# Altium PCB Room04.PcbDoc (part 1 of 2) (continued)
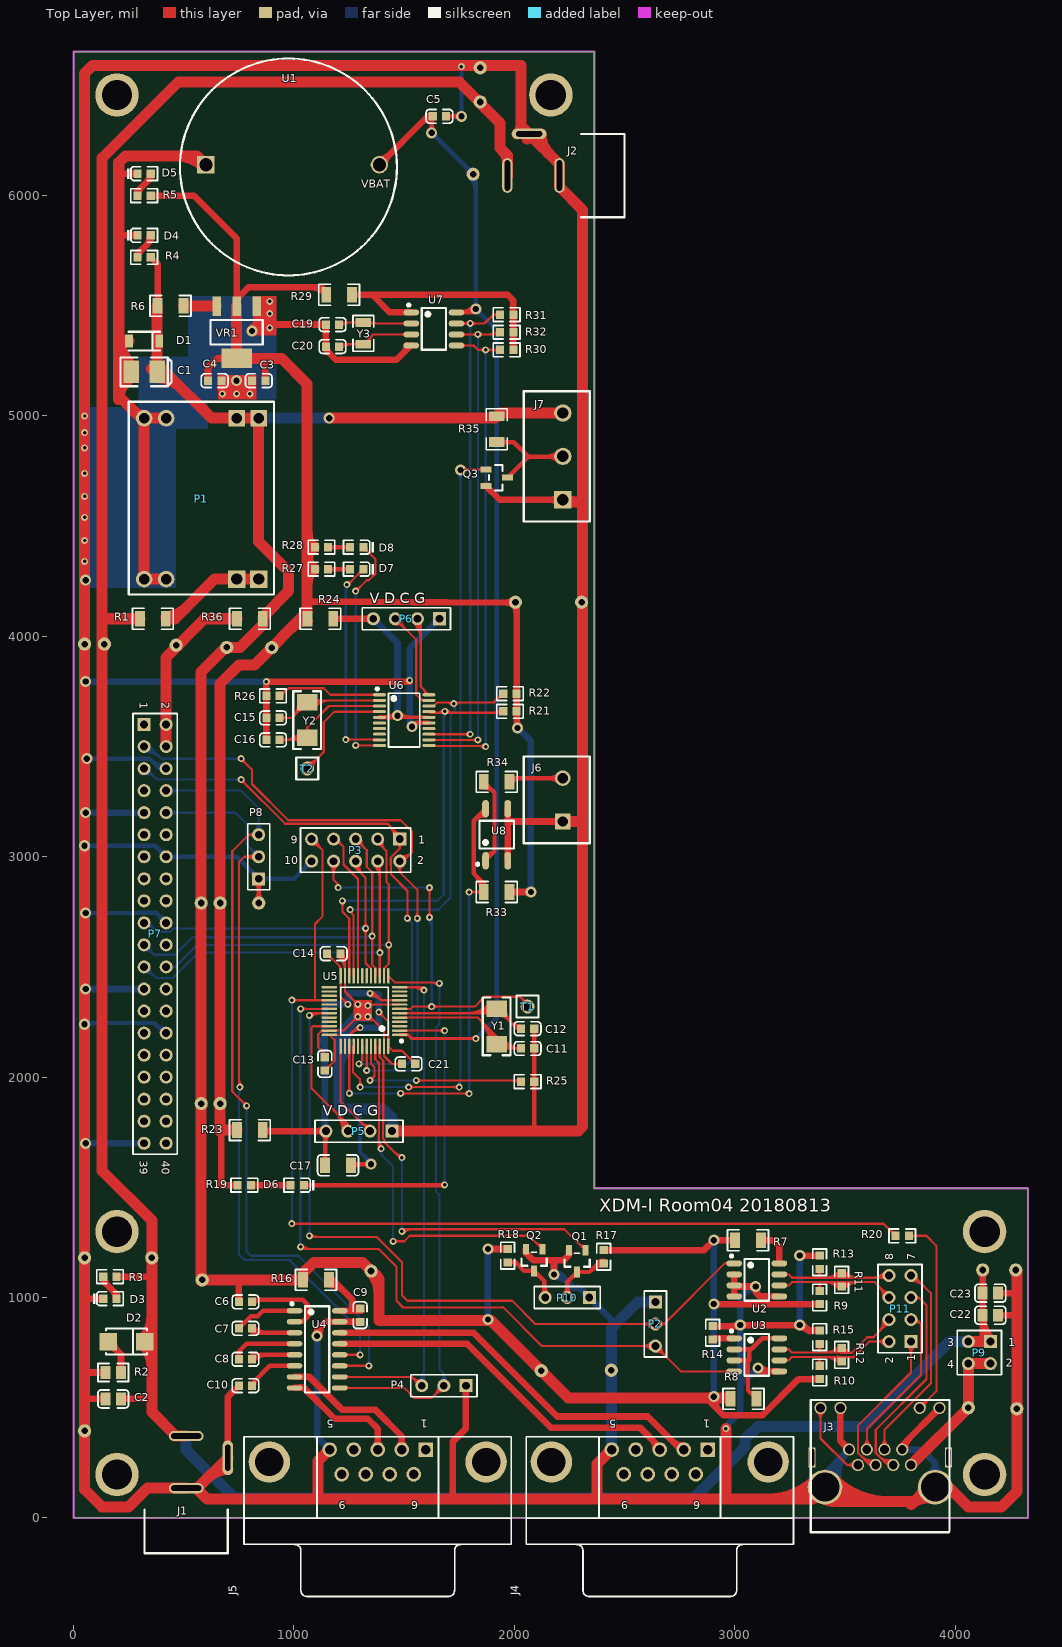
[diagram p0: Top Layer view]
## Nets (pads, with @x,y where several pads share a name; then routed paths per layer and width w, separated by ;. In a path a pad name is that pad's centre, name@x,y a point inside that pad or via, vN(x,y) a via of type N, cw(c..) or ccw(c..) an arc to the next point about the centre after c; other vN are vias at no path point)
ADC2_IN0: U5.10
ADC2_IN1: U5.11
BEEP: P3.7 U5.20 | length 736.7
  Top Layer w10: P3.7@1180,3080 1190,3080 1225,3045 1225,2965 1290.47,2899.53 U5.20@1290.47,2459.45 ; P3.7@1181.97,3065.61 cw(c1187.42,3025.91) 1215.76,3054.24 ; P3.7@1204.53,3080 ccw(c1239.6,3080) 1214.8,3055.2
BOOT0: R25.1 U5.44 | length 1068.4
  Top Layer w10: v1(1345,1985) 1365,2005 1365,2045 1349.53,2060.47 U5.44@1349.53,2140.55 ; v1@1345,1995.75 ccw(c1345,2021.7) 1363.35,2003.35 ccw(c1381.7,1985) v1@1355.75,1985 ; v1(1555,1985) R25.1@2029.69,1985 ; v1@1562.6,1977.4 cw(c1580.95,1959.05) 1580.95,1985 cw(c1580.95,2010.95) v1@1562.6,1992.6 ; 1987.86,1985 cw(c1987.86,1939.16) R25.1@2020.28,1971.57 ; 2007.25,1985 ccw(c2007.25,2003.42) R25.1@2020.28,1990.39
  Bottom Layer w10: v1(1345,1985) v1(1555,1985) ; v1@1352.6,1977.4 cw(c1370.95,1959.05) 1370.95,1985 cw(c1370.95,2010.95) v1@1352.6,1992.6 ; v1@1547.4,1977.4 ccw(c1529.05,1959.05) 1529.05,1985 ccw(c1529.05,2010.95) v1@1547.4,1992.6
C1+: C7.2 U4.1 | length 317.6
  Top Layer w20: C7.2@749.68,860 804.68,915 835,915 860,940 U4.1@1002.64,940 ; C7.2@749.68,869.29 ccw(c749.68,891.72) C7.2@765.55,875.86 ; C7.2@757.99,860.98 cw(c775.67,860.98) C7.2@763.17,873.49
C1-: C7.1 U4.3 | length 327.7
  Top Layer w20: C7.1@802.05,850.75 ccw(c827.99,876.69) 827.99,840 ; C7.1@810.32,850.71 cw(c810.32,828.28) C7.1@826.18,844.14 ; C7.1@810.32,860 830.32,840 U4.3@1002.64,840 ; C7.1@816.19,864.89 ccw(c876.28,924.98) 876.28,840 ; C7.1@818.62,859.02 ccw(c836.3,859.02) C7.1@823.8,846.51
C2+: C8.1 U4.4 | length 333.8
  Top Layer w20: C8.1@743.81,726.86 ccw(c729.63,741.04) 749.68,741.04 ccw(c769.74,741.04) C8.1@755.56,726.86 ; C8.1@749.68,720 749.68,754.68 785,790 U4.4@1002.64,790
C2-: C8.2 U4.5 | length 334.7
  Top Layer w20: C8.2@802.05,729.25 cw(c827.99,703.31) 827.99,740 ; C8.2@805.32,715 830.32,740 U4.5@1002.64,740 ; C8.2@810.32,729.29 ccw(c810.32,751.72) C8.2@826.18,735.86 ; C8.2@816.19,715.11 cw(c876.28,655.02) 876.28,740 ; C8.2@818.62,720.98 cw(c836.3,720.98) C8.2@823.8,733.49
CON1_N: P11.8 R11.1 R13.2 U2.7 | length 1209.7
  Top Layer w10: U2.7@3202.36,1105 3245,1105 ; U2.7@3230.27,1098.84 cw(c3245,1084.32) 3245,1105 ; U2.7@3230.27,1111.16 ccw(c3245,1125.68) 3245,1105 ; R13.2@3375.59,1120.28 cw(c3352.87,1097.56) 3385,1097.56 cw(c3417.13,1097.56) R13.2@3394.41,1120.28 ; R13.2@3385,1129.68 3385,1090 ; 3402.85,1090 ccw(c3402.85,1191.49) R11.1@3474.61,1119.72 ; 3426.99,1090 ccw(c3426.99,1167.34) R11.1@3481.68,1112.65 ; 3451.13,1090 ccw(c3451.13,1143.2) R11.1@3488.75,1105.58 ; R11.1@3474.18,1098.51 ccw(c3494.73,1119.06) 3494.73,1090 ; 3475.27,1090 ccw(c3475.27,1119.06) R11.1@3495.82,1098.51 ; R11.1@3481.25,1105.58 ccw(c3518.87,1143.2) 3518.87,1090 ; R11.1@3488.32,1112.65 ccw(c3543.01,1167.34) 3543.01,1090 ; R11.1@3495.39,1119.72 ccw(c3567.15,1191.49) 3567.15,1090 ; 3616.64,1090 ccw(c3616.64,1183.36) P11.8@3682.66,1117.34 ; 3640.79,1090 ccw(c3640.79,1159.21) P11.8@3689.73,1110.27 ; P11.8@3682.66,1082.66 ccw(c3664.93,1064.93) 3664.93,1090 ccw(c3664.93,1135.07) P11.8@3696.8,1103.2 ; P11.8@3690,1090 3385,1090 ; 3245,1105 3260,1090 3385,1090
CON1_N_O: J3.4 P11.7 | length 1202.9
  Top Layer w10: J3.4@3663.58,326.03 ccw(c3625.07,364.54) 3679.53,364.54 ccw(c3733.99,364.54) J3.4@3695.48,326.03 ; J3.4@3670.65,318.96 ccw(c3649.21,340.4) 3679.53,340.4 ccw(c3709.85,340.4) J3.4@3688.41,318.96 ; J3.4@3679.53,310.08 3679.53,399.53 3890,610 3890,1020 3810,1100 P11.7@3800,1100 ; P11.7@3800,1075.47 cw(c3800,992.12) 3858.94,1051.06 ; P11.7@3800,1085.47 cw(c3800,1026.26) 3841.87,1068.13 ; P11.7@3824.53,1100 ccw(c3859.6,1100) 3834.8,1075.2
  Bottom Layer w10: P11.7@3800,1100 P11.7@3810,1100
CON1_P: P11.6 R9.1 R11.2 U2.6 | length 1193.9
  Top Layer w10: U2.6@3202.36,1055 3245,1055 ; U2.6@3230.27,1048.84 cw(c3245,1034.32) 3245,1055 ; U2.6@3230.27,1061.16 ccw(c3245,1075.68) 3245,1055 ; R9.1@3375.59,1039.72 ccw(c3352.87,1062.44) 3385,1062.44 ccw(c3417.13,1062.44) R9.1@3394.41,1039.72 ; R9.1@3385,1030.31 3385,1070 ; 3402.84,1070 cw(c3402.84,968.51) R11.2@3474.61,1040.28 ; 3426.99,1070 cw(c3426.99,992.66) R11.2@3481.68,1047.35 ; 3451.13,1070 cw(c3451.13,1016.8) R11.2@3488.75,1054.42 ; R11.2@3474.18,1061.49 cw(c3494.73,1040.94) 3494.73,1070 ; 3475.27,1070 cw(c3475.27,1040.94) R11.2@3495.82,1061.49 ; R11.2@3481.25,1054.42 cw(c3518.87,1016.8) 3518.87,1070 ; R11.2@3488.32,1047.35 cw(c3543.01,992.66) 3543.01,1070 ; R11.2@3495.39,1040.28 cw(c3567.16,968.51) 3567.16,1070 ; 3654.59,1050.41 cw(c3604.19,1000) P11.6@3675.47,1000 ; 3666.66,1038.34 ccw(c3700,1071.67) P11.6@3700,1024.53 ; 3671.66,1033.34 cw(c3638.33,1000) P11.6@3685.47,1000 ; P11.6@3700,1005 3635,1070 3385,1070 ; 3245,1055 3260,1070 3385,1070
CON1_P_O: J3.3 P11.5 | length 1176.5
  Top Layer w10: 3652.34,282.66 ccw(c3703.99,334.3) J3.3@3715.98,262.25 ; 3666.09,268.91 ccw(c3707.91,310.74) J3.3@3717.62,252.39 ; 3679.83,255.17 ccw(c3711.84,287.17) J3.3@3719.26,242.52 ; J3.3@3719.69,240 3695,240 3640,295 3640,400 3870,630 3870,965 3835,1000 ; P11.5@3800,1000 3835,1000 ; P11.5@3823.06,991.63 cw(c3835,987.29) 3835,1000 ; P11.5@3823.06,1008.37 ccw(c3835,1012.71) 3835,1000
  Bottom Layer w10: J3.3@3695.08,240 J3.3@3719.69,240
CON2_N: P11.4 R12.1 R15.2 U3.7 | length 1231.2
  Top Layer w10: U3.7@3202.36,765 3245,765 ; U3.7@3230.27,758.84 cw(c3245,744.32) 3245,765 ; U3.7@3230.27,771.16 ccw(c3245,785.68) 3245,765 ; R15.2@3375.59,780.28 cw(c3352.87,757.56) 3385,757.56 cw(c3417.13,757.56) R15.2@3394.41,780.28 ; R15.2@3385,789.68 3385,750 ; 3402.85,750 ccw(c3402.85,851.49) R12.1@3474.61,779.72 ; 3426.99,750 ccw(c3426.99,827.34) R12.1@3481.68,772.65 ; 3451.13,750 ccw(c3451.13,803.2) R12.1@3488.75,765.58 ; R12.1@3469.85,766.02 ccw(c3491.81,771.87) 3491.81,749.14 ; R12.1@3470.88,768.18 cw(c3450.77,764.9) 3465.18,750.49 cw(c3481.18,734.49) R12.1@3482.96,757.05 ; R12.1@3479.52,768.59 ccw(c3504.83,775.34) 3504.83,749.14 ; R12.1@3485,770.31 3464.69,750 ; R12.1@3489.18,771.17 ccw(c3517.84,778.81) 3517.84,749.14 ; R12.1@3498.84,773.74 ccw(c3530.86,782.27) 3530.86,749.14 ; 3651.06,841.06 ccw(c3592.12,900) P11.4@3675.47,900 ; 3668.13,858.13 ccw(c3626.26,900) P11.4@3685.47,900 ; 3675.2,865.2 cw(c3700,840.4) P11.4@3700,875.47 ; P11.4@3700,900 3700,890 3630,820 3601.72,820 3530.86,749.14 ; 3245,765 3260,750 3385,750 ; 3385,750 3464.69,750 ; 3464.69,750 3480,750 3480.86,749.14 3530.86,749.14
CON2_N_O: J3.6 P11.3 | length 965.2
  Top Layer w10: J3.6@3583.26,326.03 ccw(c3542.85,366.44) 3600,366.44 ; J3.6@3590.33,318.96 ccw(c3566.99,342.3) 3600,342.3 ; J3.6@3599.21,310.08 3600,310.87 3600,405 3845,650 3845,880 3825,900 P11.3@3800,900 ; 3600,338.5 ccw(c3627.63,338.5) J3.6@3608.09,318.96 ; 3600,362.64 ccw(c3651.77,362.64) J3.6@3615.16,326.03 ; P11.3@3801.7,895.81 cw(c3813.68,866.33) 3836.17,888.83 ; P11.3@3805.47,886.54 cw(c3819.84,851.16) 3846.84,878.16
  Bottom Layer w10: P11.3@3800,900 P11.3@3825,900
CON2_P: P11.2 R10.1 R12.2 U3.6 | length 1097.4
  Top Layer w10: U3.6@3202.36,715 3245,715 ; U3.6@3230.27,708.84 cw(c3245,694.32) 3245,715 ; U3.6@3230.27,721.16 ccw(c3245,735.68) 3245,715 ; R10.1@3375.59,699.72 ccw(c3352.87,722.44) 3385,722.44 ccw(c3417.13,722.44) R10.1@3394.41,699.72 ; R10.1@3385,690.31 3385,730 ; 3402.84,730 cw(c3402.84,628.51) R12.2@3474.61,700.28 ; 3426.99,730 cw(c3426.99,652.66) R12.2@3481.68,707.35 ; 3451.13,730 cw(c3451.13,676.8) R12.2@3488.75,714.42 ; 3468.57,733.15 cw(c3457.16,721.74) R12.2@3471.88,715.14 ; R12.2@3470.81,711.3 ccw(c3447.81,714.11) 3464.19,730.49 ccw(c3482.38,748.68) R12.2@3483.46,722.98 ; R12.2@3485,709.68 3464.68,730 ; P11.2@3682.66,782.66 ccw(c3640.79,740.79) 3640.79,800 ccw(c3640.79,859.21) P11.2@3682.66,817.34 ; P11.2@3689.73,789.73 ccw(c3664.93,764.93) 3664.93,800 ccw(c3664.93,835.07) P11.2@3689.73,810.27 ; P11.2@3700,800 3610,800 3539.14,729.14 3510,729.14 3472.57,729.14 3471.72,730 3464.69,730 ; 3245,715 3260,730 3385,730 ; 3385,730 3464.68,730 ; R12.2@3474.98,726.73 ccw(c3484.02,735.77) 3484.02,722.99 cw(c3484.02,735.77) R12.2@3474.98,726.73
CON2_P_O: J3.5 P11.1 | length 1045.9
  Top Layer w10: 3572.89,280.69 ccw(c3621.14,328.93) J3.5@3634.84,262.1 ; 3586.03,267.56 ccw(c3625.61,307.13) J3.5@3636.85,252.3 ; 3599.17,254.42 ccw(c3630.08,285.33) J3.5@3638.86,242.51 ; J3.5@3639.37,240 3613.59,240 3560,293.59 3560,420 3800,660 P11.1@3800,800 ; P11.1@3782.66,782.66 cw(c3740.79,740.79) 3800,740.79 cw(c3859.21,740.79) P11.1@3817.34,782.66 ; P11.1@3789.73,789.73 cw(c3764.93,764.93) 3800,764.93 cw(c3835.07,764.93) P11.1@3810.27,789.73
  Bottom Layer w10: J3.5@3614.76,240 J3.5@3639.37,240
DS1302_IO: R32.2 U6.12 U7.6 | length 2573.5
  Top Layer w10: U6.12@1612.2,3530.43 1613.36,3529.28 v1@1834.28,3529.28 ; U6.12@1636.18,3531.77 ccw(c1642.2,3537.79) 1642.2,3529.28 ; U7.6@1737.36,5370 v1(1835,5370) R32.2@1924.68,5370 ; U7.6@1765.22,5363.79 cw(c1780.21,5348.8) 1780.21,5370 cw(c1780.21,5391.2) U7.6@1765.22,5376.21 ; 1807.3,3529.28 ccw(c1807.3,3557.7) v1@1827.4,3537.6 ; 1810.8,3529.28 cw(c1810.8,3505.8) v1@1827.4,3522.4 ; v1@1827.4,5362.4 ccw(c1809.05,5344.05) 1809.05,5370 ccw(c1809.05,5395.95) v1@1827.4,5377.6 ; v1@1842.6,5362.4 cw(c1860.95,5344.05) 1860.95,5370 cw(c1860.95,5395.95) v1@1842.6,5377.6 ; 1880.79,5370 ccw(c1880.79,5432.91) R32.2@1925.28,5388.43 ; 1904.93,5370 ccw(c1904.93,5408.77) R32.2@1932.35,5381.35
  Bottom Layer w10: v1@1827.4,3537.6 ccw(c1809.05,3555.95) 1835,3555.95 ccw(c1860.95,3555.95) v1@1842.6,3537.6 ; v1@1827.4,5362.4 cw(c1809.05,5344.05) 1835,5344.05 cw(c1860.95,5344.05) v1@1842.6,5362.4 ; v1(1835,3530) v1(1835,5370)
DS1302_RSTN: R30.2 U6.11 U7.5 | length 2551.2
  Top Layer w10: U6.11@1612.2,3504.84 1613.8,3503.25 v1@1866.75,3503.25 ; U6.11@1636.18,3506.18 ccw(c1643.24,3513.24) 1643.24,3503.25 ; U7.5@1737.36,5320 1815,5320 1835,5300 v1(1870,5300) R30.2@1934.68,5300 ; U7.5@1765.22,5313.79 cw(c1780.21,5298.8) 1780.21,5320 cw(c1780.21,5341.2) U7.5@1765.22,5326.21 ; 1836.2,3503.25 cw(c1836.2,3466.2) v1@1862.4,3492.4 ; 1851.9,3503.25 ccw(c1851.9,3518.1) v1@1862.4,3507.6 ; v1@1862.4,5292.4 ccw(c1844.05,5274.05) 1844.05,5300 ccw(c1844.05,5325.95) v1@1862.4,5307.6 ; v1@1877.6,5292.4 cw(c1895.95,5274.05) 1895.95,5300 cw(c1895.95,5325.95) v1@1877.6,5307.6 ; R30.2@1925.28,5290.59 ccw(c1902.56,5267.87) 1902.56,5300 ccw(c1902.56,5332.13) R30.2@1925.28,5309.41
  Bottom Layer w10: v1@1862.4,3507.6 ccw(c1844.05,3525.95) 1870,3525.95 ccw(c1895.95,3525.95) v1@1877.6,3507.6 ; v1@1862.4,5292.4 cw(c1844.05,5274.05) 1870,5274.05 cw(c1895.95,5274.05) v1@1877.6,5292.4 ; v1@1870,3505 v1(1870,5300)
  other v1: 1870,3500
DS1302_SCK: R31.2 U6.13 U7.7 | length 2547.3
  Top Layer w10: U6.13@1612.2,3556.02 v1(1798.98,3556.02) ; U7.7@1737.36,5420 v1(1800,5420) 1865,5420 1905,5460 ; U7.7@1765.22,5413.79 cw(c1780.21,5398.8) 1780.21,5420 cw(c1780.21,5441.2) U7.7@1765.22,5426.21 ; v1@1791.38,3548.42 ccw(c1773.03,3530.08) 1773.03,3556.02 ccw(c1773.03,3581.97) v1@1791.38,3563.62 ; v1@1792.4,5412.4 ccw(c1774.05,5394.05) 1774.05,5420 ccw(c1774.05,5445.95) v1@1792.4,5427.6 ; v1@1807.6,5412.4 cw(c1825.95,5394.05) 1825.95,5420 cw(c1825.95,5445.95) v1@1807.6,5427.6 ; R31.2@1924.75,5451.15 ccw(c1905,5433.55) 1905,5460 ; R31.2@1924.75,5468.85 cw(c1905,5486.45) 1905,5460 ; R31.2@1934.68,5460 1905,5460
  Bottom Layer w10: v1@1791.38,3563.62 ccw(c1770.56,3584.44) 1800,3584.44 ; v1@1792.4,5412.4 cw(c1774.05,5394.05) 1800,5394.05 cw(c1825.95,5394.05) v1@1807.6,5412.4 ; v1@1800,3555 v1(1800,5420) ; 1800,3579.5 ccw(c1822.45,3579.5) v1@1806.58,3563.62
DS1302_X1: C19.2 U7.2 Y3.1 | length 554.4
  Top Layer w10: C19.2@1207.65,5413.65 cw(c1233.16,5388.14) 1233.16,5424.21 ; C19.2@1214.53,5424.21 Y3.1@1315,5424.21 ; C19.2@1214.72,5406.57 cw(c1257.31,5363.99) 1257.31,5424.21 ; Y3.1@1288.87,5413.83 ccw(c1263.8,5388.76) 1263.8,5424.21 ccw(c1263.8,5459.67) Y3.1@1288.87,5434.6 ; Y3.1@1319.21,5420 U7.2@1532.64,5420 ; Y3.1@1334.06,5427.53 ccw(c1352.23,5445.69) 1352.23,5420 ; Y3.1@1341.13,5413.83 cw(c1356.03,5398.93) 1356.03,5420 ; Y3.1@1341.13,5434.6 ccw(c1376.37,5469.84) 1376.37,5420 ; U7.2@1504.78,5413.79 ccw(c1489.79,5398.8) 1489.79,5420 ccw(c1489.79,5441.2) U7.2@1504.78,5426.21
DS1302_X2: C20.2 U7.3 Y3.2 | length 586.1
  Top Layer w10: C20.2@1207.65,5313.65 cw(c1236.97,5284.33) 1236.97,5325.79 ; C20.2@1214.72,5306.57 cw(c1261.11,5260.19) 1261.11,5325.79 ; C20.2@1216.1,5325.79 Y3.2@1315,5325.79 1359.21,5370 ; Y3.2@1288.87,5315.4 ccw(c1263.8,5290.33) 1263.8,5325.79 ccw(c1263.8,5361.24) Y3.2@1288.87,5336.17 ; Y3.2@1335.38,5326.47 cw(c1369.57,5331.49) 1345.14,5355.93 ; Y3.2@1345.28,5327.92 cw(c1394.12,5335.09) 1359.21,5370 ; U7.3@1504.78,5363.79 ccw(c1489.79,5348.8) 1489.79,5370 ccw(c1489.79,5391.2) U7.3@1504.78,5376.21 ; U7.3@1532.64,5370 1359.21,5370
EX_CON1: P10.3 Q2.3 R18.1 | length 410.9
  Top Layer w20: R18.1@1970,1159.69 2005.31,1159.69 2044.21,1120.79 Q2.3@2090,1120.79 2135,1075.79 2135,1005 P10.3@2140,1000 ; R18.1@1976.86,1153.81 cw(c1991.04,1139.63) 1991.04,1159.69 cw(c1991.04,1179.74) R18.1@1976.86,1165.56 ; Q2.3@2090,1106.18 cw(c2090,1070.92) 2114.93,1095.85 ; P10.3@2126.19,1013.81 ccw(c2104.93,1035.07) 2135,1035.07 ; 2135,1059.21 ccw(c2199.21,1059.21) P10.3@2153.81,1013.81
EX_CON2: P10.2 Q1.3 R17.1 | length 549.8
  Top Layer w20: P10.2@2226.19,1013.81 ccw(c2192.86,1047.14) 2240,1047.14 ccw(c2287.14,1047.14) P10.2@2253.81,1013.81 ; P10.2@2240,1000 2240,1070.79 Q1.3@2285,1115.79 2340.79,1115.79 2379.69,1154.69 R17.1@2405,1154.69 ; 2260.07,1090.85 cw(c2285,1065.92) Q1.3@2285,1101.18 ; 2348.3,1123.3 cw(c2404.02,1067.58) R17.1@2404.02,1146.38 ; 2367.52,1142.52 cw(c2387.07,1122.97) R17.1@2400.1,1147.36 ; 2382.44,1157.44 cw(c2404.02,1135.87) R17.1@2404.02,1166.38 ; R17.1@2386.59,1161.59 cw(c2400.36,1147.83) R17.1@2409.53,1165 ; R17.1@2398.14,1148.81 ccw(c2383.96,1134.63) 2383.96,1154.69 ccw(c2383.96,1174.74) R17.1@2398.14,1160.56
GND: C1.2 C2.1 C3.1 C4.1 C5.1 C9.1 C10.1 C11.1 C12.1 C13.1 C14.2 C15.1 C16.1 C17.1 C18.1 C19.1 C20.1 C21.2 C22.1 C23.1 D1.1 D3.K D4.K D5.K J1.2 J1.3 J2.2 J2.3 J3.2 J3.8 J3.9 J3.11 J3.13 J3.14 J4.5 J5.5 J6.1 J7.1 P1.1 P1.2 P1.7 P1.8 P2.1 P3.10 P4.1 P5.1 P6.1 P7.6 P7.9 P7.14 P7.20 P7.25 P7.30 P7.39 P8.1 P10.1 pad.0@4275,1125 pad.1@4280,495 pad.2@50,1180 pad.3 pad.8 pad.11 pad.17 pad.18 Q1.2 Q2.2 Q3.2 R2.1 R13.1 R14.1 R15.1 R25.2 R26.1 U1.1 U2.2 U2.3 U2.4 U2.5 U3.5 U4.15 U5.8 U5.23 U5.35 U5.47 U6.15 U7.4 U8.2 U8.3 VR1.1 | length 48144.3
  Top Layer w10: 1122.29,2122.71 cw(c1089.9,2090.32) C13.1@1135.71,2090.32 ; 1122.56,2207.56 cw(c1130.63,2199.5) U5.35@1130.63,2210.91 ; C13.1@1140,2090.32 1140,2105 1110,2135 1110,2195 1126.42,2211.42 U5.35@1160.55,2211.42 1226.42,2211.42 v1(1290,2275) v1@1295,2280 ; C14.2@1200.91,2549.61 cw(c1127.24,2475.94) U5.23@1231.42,2475.94 ; C14.2@1207.98,2556.68 cw(c1151.39,2500.09) 1231.42,2500.09 ; C14.2@1210.32,2560 1231.42,2538.9 U5.23@1231.42,2459.45 1231.42,2388.58 v1(1290,2330) 1310,2310 ; C14.2@1211.54,2545.77 cw(c1213.88,2520.38) 1231.91,2538.41 cw(c1251.92,2558.42) C14.2@1223.62,2558.83 ; C14.2@1215.05,2563.75 cw(c1175.53,2524.23) 1231.42,2524.23 ; v1@1279.25,2275 cw(c1253.3,2275) 1271.65,2256.65 cw(c1290,2238.3) v1@1290,2264.25 ; v1@1279.25,2330 ccw(c1253.3,2330) 1271.65,2348.35 ccw(c1290,2366.7) v1@1290,2340.75 ; v1@1290,2319.25 cw(c1290,2293.3) 1308.35,2311.65 cw(c1326.7,2330) v1@1300.75,2330 ; v1@1334.53,2329.53 U5.8@1479.45,2329.53 ; v1@1335,2264.25 cw(c1335,2214.16) 1370.42,2249.58 ; v1@1335,2274.25 cw(c1335,2248.3) 1353.35,2266.65 ; v1@1335,2285 1408.58,2211.42 U5.47@1408.58,2140.55 1408.58,2096.42 1445,2060 C21.2@1489.68,2060 ; v1@1342.6,2317.4 cw(c1371.88,2288.12) 1371.88,2329.53 ; C21.2@1480.28,2050.59 ccw(c1457.56,2027.87) 1457.56,2060 ccw(c1457.56,2092.13) C21.2@1480.28,2069.41
  Top Layer w20: pad.8@825.86,2804.14 ccw(c791.72,2838.28) 840,2838.28 ccw(c888.28,2838.28) pad.8@854.14,2804.14 ; P8.1@826.19,2886.19 cw(c792.86,2852.86) 840,2852.86 cw(c887.14,2852.86) P8.1@853.81,2886.19 ; pad.8@840,2790 P8.1@840,2900 ; C17.1@1263.66,1605 v2(1350,1605) ; C17.1@1267.32,1591.34 cw(c1300.29,1558.37) 1300.29,1605 ; v2@1339.39,1594.39 ccw(c1313.79,1568.79) 1313.79,1605 ccw(c1313.79,1641.21) v2@1339.39,1615.61 ; v2(1535,3590) 1552.2,3607.2 U6.15@1612.2,3607.2 ; C5.1@1690.32,6360 v2(1760,6360) ; C5.1@1696.19,6354.13 cw(c1710.37,6339.94) 1710.37,6360 cw(c1710.37,6380.06) C5.1@1696.19,6365.87 ; v2@1749.39,6349.39 ccw(c1723.79,6323.79) 1723.79,6360 ccw(c1723.79,6396.21) v2@1749.39,6370.61 ; R25.2@2084.44,1973.14 cw(c2070.26,1958.96) 2090.32,1958.96 cw(c2110.37,1958.96) R25.2@2096.19,1973.14 ; R25.2@2084.44,1986.86 ccw(c2070.26,2001.04) 2090.32,2001.04 ccw(c2110.37,2001.04) R25.2@2096.19,1986.86 ; C11.1@2084.44,2123.14 cw(c2070.26,2108.96) 2090.32,2108.96 cw(c2110.37,2108.96) C11.1@2096.19,2123.14 ; C11.1@2084.44,2136.86 ccw(c2070.26,2151.04) 2090.32,2151.04 ccw(c2110.37,2151.04) C11.1@2096.19,2136.86 ; C12.1@2084.44,2213.14 cw(c2070.26,2198.96) 2090.32,2198.96 cw(c2110.37,2198.96) C12.1@2096.19,2213.14 ; 2090.32,1755.32 R25.2@2090.32,1980 C11.1@2090.32,2130 C12.1@2090.32,2220 ; 2180,1170 2185.53,1164.47
  Top Layer w30: 50,995 D3.K@134.69,995 ; 55,540 C2.1@144.96,540 ; 55,660 R2.1@144.96,660 ; 205,5820 D4.K@289.69,5820 ; 205,6100 D5.K@289.69,6100 ; J1.2@700,273.07 700,550.32 C10.1@749.68,600 ; C16.1@874.68,3530 R26.1@874.69,3730 v1(874.69,3795) v1@1525,3795 ; v1@890.53,5399.47 cw(c928.02,5361.98) 928.02,5415 ; 900,5415 C19.1@1144.68,5415 C20.1@1144.68,5315 1144.68,5300.31 1190,5255 1465,5255 U7.4@1530,5320 ; v2(1105,825) 1105,855 1140,890 ; v2@1114.99,825.46 cw(c1200.59,829.4) 1140,890 ; C20.1@1147.99,5314.02 ccw(c1189.05,5314.02) 1160.02,5284.98 ; C9.1@1300,890 U4.15@1207.36,890 1140,890 ; 1499.62,5289.62 ccw(c1469.24,5320) U7.4@1512.2,5320 ; 1720,85 1720,345 1780,405 P4.1@1780,600 ; P4.1@1769.73,589.73 cw(c1744.93,564.93) 1780,564.93 cw(c1815.07,564.93) P4.1@1790.27,589.73 ; Q3.2@1870.79,4682.6 1933.39,4620 J7.1@2220,4620 ; Q3.2@1880.39,4682.6 ccw(c1903.59,4682.6) 1887.19,4666.2 ; U8.2@1970,2981.89 U8.3@1970,3218.11 ; 1975,3160 J6.1@2220,3160 ; Q2.2@2052.6,1219.21 2052.6,1202.4 2085,1170 2180,1170 ; v2(2180,1105) 2180,1170 ; J7.1@2202.77,4602.77 ccw(c2161.17,4561.17) 2161.17,4620 ccw(c2161.17,4678.83) J7.1@2202.77,4637.23 ; J6.1@2205.55,3145.55 ccw(c2170.67,3110.67) 2170.67,3160 ccw(c2170.67,3209.33) J6.1@2205.55,3174.45 ; 2226.39,1168.61 2225,1170 ; 2242.05,1187.05 ccw(c2225.72,1203.39) Q1.2@2248.82,1203.39 ; Q1.2@2247.6,1214.21 2247.6,1192.6 2225,1170 ; R14.1@2900,870.31 v2@3020.31,870.31 ; 2989.55,870.31 ccw(c2989.55,910.45) v2@3017.93,882.07 ; U2.4@2997.64,1005 U2.3@2997.64,1055 U2.2@2997.64,1105 ; U2.3@3002.64,1050 v2(3095,1050) ; v2(3025,875) v2(3295,875) ; 3095,1025 3115,1005 U2.5@3202.36,1005 ; v2@3102.22,1043.08 ccw(c3115.43,1030.43) 3102.5,1017.5 ; v2@3112.07,687.07 ccw(c3165.36,740.36) 3165.36,665 ; v2@3120,665 U3.5@3202.36,665 ; v2@3295,865 cw(c3295,804.64) 3337.68,847.32 ; v2@3295.31,1190.31 R13.1@3385,1190.31 ; v2@3310,875 3334.69,850.31 R15.1@3385,850.31 ; J3.11@3470.65,490.17 cw(c3449.21,468.73) 3479.53,468.73 cw(c3509.85,468.73) J3.11@3488.41,490.17 ; J3.11@3479.53,499.06 3479.53,349.45 J3.8@3518.9,310.08 ; J3.8@3506.34,310.08 ccw(c3476.02,310.08) 3497.46,331.52 ccw(c3518.9,352.96) J3.8@3518.9,322.64 ; J3.2@3759.84,310.08 3759.84,329.37 J3.9@3929.53,499.06 ; J3.2@3772.4,310.08 cw(c3849.29,310.08) 3794.92,364.45 ; J3.9@3916.97,499.06 cw(c3886.65,499.06) 3908.09,477.62 cw(c3929.53,456.18) J3.9@3929.53,486.5 ; C22.1@4195.04,920 4280,920 ; C23.1@4195.04,1020 4280,1020 ; 2180,1170 2225,1170
  Top Layer w50: 50,3420.86 cw(c84.14,3420.86) v2(60,3445) cw(c84.14,3469.14) 50,3469.14 ; 205,5074.65 cw(c318.24,5074.65) C1.2@265.78,5175.01 ; 205,5157.21 cw(c275.08,5157.21) C1.2@242.61,5219.32 ; 205,5255.29 ccw(c300.48,5255.29) C1.2@232.97,5187.77 ; 205,5340 D1.1@251.1,5340 ; 205,5376 ccw(c421.2,5376) C1.2@268.32,5223.13 ; 273.22,5021.78 ccw(c320,5068.55) P1.8@320,5002.4 ; P1.2@420,4260 P1.1@320,4260 P1.8@320,4990 ; P1.7@420,4990 P1.8@320,4990 ; 468.74,6180 cw(c468.74,6008.74) U1.1@589.84,6129.84 ; J1.3@511.02,135.28 335.28,135.28 250,50 130,50 50,130 pad.3@50,395 50,995 pad.2@50,1180 v2(50,2240) v2(50,3050) v1(50,4340) v1(50,4435) v1(50,4540) v1(50,4635) v1(50,4740) v1(50,4855) v1(50,4925) v1(50,5000) 50,6555 85,6590 2030,6590 2030,6316.93 ; J1.3@554.72,135.28 605,85 1720,85 2375,85 ; J1.3@562.2,135.28 J1.2@700,273.07 ; U1.1@600,6140 560,6180 235,6180 205,6150 205,6100 205,5820 205,5090 305,4990 P1.8@320,4990 ; 608.26,181.33 cw(c700,89.59) J1.2@700,219.33 ; J1.2@693.62,266.69 cw(c700,260.3) J1.2@700,269.33 ; v2(810,5385) 830.55,5405.55 ; 1110,90 1110,258.03 J5.5@1161.89,309.92 ; P5.1@1445,1755 2290,1755 2310,1775 2310,3175 ; 1808.79,6590 cw(c1808.79,6543.79) pad.18@1841.46,6576.46 ; pad.18@1848.54,6576.46 cw(c1881.21,6543.79) 1881.21,6590 ; J2.2@2012.72,6278.96 ccw(c1979.66,6316.93) 2030,6316.93 ; J2.2@2012.79,6279.03 ccw(c1971.23,6320.59) 2030,6320.59 ; J2.2@2051.55,6295.38 cw(c2028.07,6271.89) J2.2@2057.79,6257.07 ; J2.2@2070.67,6280 ccw(c2079.7,6280) J2.2@2073.31,6273.62 ; J2.2@2120.67,6280 ccw(c2250.41,6280) 2158.67,6188.26 ; J6.1@2220,3160 2295,3160 2310,3175 ; J7.1@2230,4610 2310,4610 ; J7.1@2230.16,4630.16 ccw(c2278.83,4678.83) 2278.83,4610 ; J4.5@2441.89,309.92 2439.92,309.92 2375,245 2375,85 ; 2960,95 v1(2960,405) ; 3146.93,85 ccw(c3146.93,402.52) J3.14@3371.45,178 ; 3267.64,85 ccw(c3267.64,281.81) J3.14@3406.8,142.64 ; J3.14@3376.74,107.29 ccw(c3454.69,185.24) 3454.69,75 ; J3.14@3412.09,142.64 ccw(c3575.4,305.95) 3575.4,75 ; J3.14@3447.45,178 ccw(c3696.11,426.66) 3696.11,75 ; 3800.28,60.28 cw(c3873.23,-12.67) J3.13@3897.04,87.71 ; 3838.53,98.53 ccw(c3797.06,140) J3.13@3855.71,140 ; J3.13@3880,140 3815,75 3474.45,75 J3.14@3409.45,140 3354.45,85 2375,85 ; J3.13@3909.45,140 3970,140 4060,50 4210,50 4280,120 4280,920 4280,1020 pad.0@4280,1115 ; J3.13@3909.7,136.27 cw(c3918.47,3.85) 4012.31,97.69 ; 2030,6316.93 J2.2@2066.93,6280 2204.72,6142.2 J2.3@2204.72,6091.02 2204.72,6040.28 2310,5935 2310,4610 ; 2310,3175 2310,4610
  Bottom Layer w20: v2(50,2240) 55.53,2245.53 365.53,2245.53 411.06,2200 P7.30@420,2200 ; v2(50,3050) 370,3050 P7.14@420,3000 740,3000 P8.1@840,2900 1000,2900 P3.10@1080,2980 ; v2(55,2745) 300.61,2745 301.14,2745.53 374.47,2745.53 P7.20@420,2700 ; v2(60,3445) 60.53,3445.53 344.47,3445.53 390,3400 P7.6@420,3400 ; v2@60.61,2229.39 cw(c99.56,2190.44) 99.56,2245.53 ; v2@60.61,3039.39 cw(c86.21,3013.79) 86.21,3050 cw(c86.21,3086.21) v2@60.61,3060.61 ; v2@65.61,2734.39 cw(c91.21,2708.79) 91.21,2745 cw(c91.21,2781.21) v2@65.61,2755.61 ; v2@70.61,3434.39 cw(c97.49,3407.51) 97.49,3445.53 ; v2@70.61,3455.61 ccw(c94.94,3479.94) 94.94,3445.53 ; 359.47,3430.53 ccw(c396.04,3467.09) P7.6@413.43,3418.39 ; 371.39,2239.66 ccw(c420,2288.27) P7.30@420,2219.53 ; 381.82,3408.18 ccw(c407.8,3434.16) P7.6@420.16,3399.55 ; 392.99,2218.07 cw(c374.92,2200) P7.30@400.47,2200 ; P7.20@400.47,2700 ccw(c353.33,2700) 386.66,2733.34 ccw(c420,2766.67) P7.20@420,2719.53 ; P7.14@400.47,3000 ccw(c353.33,3000) 386.66,3033.34 ccw(c420,3066.67) P7.14@420,3019.53 ; P7.14@433.81,2986.19 cw(c467.14,2952.86) 467.14,3000 cw(c467.14,3047.14) P7.14@433.81,3013.81 ; P8.1@820.47,2900 ccw(c773.33,2900) 806.66,2933.34 ccw(c840,2966.67) P8.1@840,2919.53 ; P8.1@853.81,2886.19 cw(c887.14,2852.86) 887.14,2900 cw(c887.14,2947.14) P8.1@853.81,2913.81 ; P3.10@1060.47,2980 cw(c1013.33,2980) 1046.66,2946.66 cw(c1080,2913.33) P3.10@1080,2960.47 ; 1300,1855 1299.47,1854.47 1299.47,1660.53 1350,1610 v2(1350,1605) ; 1320.86,1639.14 cw(c1286.72,1605) v2@1335,1605 ; 1332.93,1627.07 ccw(c1350,1644.14) v2@1350,1620 ; v2@1525,3600 v2(1535,3590) ; v2@1749.39,6370.61 ccw(c1723.79,6396.21) 1760,6396.21 ccw(c1796.21,6396.21) v2@1770.61,6370.61 ; v2(1760,6360) v1(1760,6585)
  Bottom Layer w30: v2(55,1700) P7.39@320,1700 ; v2(55,2400) P7.25@320,2400 ; v2(55,3200) P7.9@320,3200 ; v2(55,3795) v1(874.69,3795) ; P7.39@309.73,1689.73 ccw(c284.93,1664.93) 284.93,1700 ccw(c284.93,1735.07) P7.39@309.73,1710.27 ; P7.25@309.73,2389.73 ccw(c284.93,2364.93) 284.93,2400 ccw(c284.93,2435.07) P7.25@309.73,2410.27 ; P7.9@309.73,3189.73 ccw(c284.93,3164.93) 284.93,3200 ccw(c284.93,3235.07) P7.9@309.73,3210.27 ; v2(1105,825) 1105,366.81 J5.5@1161.89,309.92 ; J5.5@1143.62,309.92 ccw(c1099.52,309.92) 1130.7,341.11 ccw(c1161.89,372.29) J5.5@1161.89,328.19 ; v2@1525,3600 v1(1525,3800) 1525,3945 P6.1@1660,4080 ; 1525,3638.28 ccw(c1583.28,3638.28) v2@1542.07,3597.07 ; P6.1@1645.47,4080 cw(c1610.4,4080) 1635.2,4055.2 cw(c1660,4030.4) P6.1@1660,4065.47 ; v2@2180,1095 cw(c2180,1006.99) 2242.24,1069.22 ; v2(2180,1105) 2206.46,1105 2266.46,1045 2295,1045 P10.1@2340,1000 2441.89,898.11 2441.89,861.89 ; P10.1@2325.47,1000 ccw(c2290.4,1000) 2315.2,1024.8 ccw(c2340,1049.6) P10.1@2340,1014.53 ; P10.1@2340,985.47 cw(c2340,950.4) 2364.8,975.2 cw(c2389.6,1000) P10.1@2354.53,1000 ; v1@2955,410 3025,480 3025,600 ; v1@2960.75,405 cw(c2986.7,405) 2968.35,423.35 ; 3043.79,1018.79 cw(c3095,967.57) v2@3095,1040 ; 3070,1045 3025,1000 v2(3025,875) 3025,600 ; v2(3105,680) 3025,600 ; v2(3295,875) v2(3295,1190) ; J3.14@3409.45,140 3409.45,200.63 J3.8@3518.9,310.08 ; J3.14@3413.11,140.76 cw(c3510.71,160.94) 3440.24,231.42 ; J3.14@3442.49,146.83 cw(c3575.89,174.42) 3479.57,270.75 ; J3.14@3471.87,152.91 cw(c3641.06,187.9) J3.8@3518.9,310.08 ; J3.8@3506.34,310.08 cw(c3476.02,310.08) 3497.46,288.64 cw(c3518.9,267.2) J3.8@3518.9,297.52 ; J3.2@3759.84,310.08 3850.08,310.08 3909.45,250.71 ; J3.2@3768.72,301.2 cw(c3790.16,279.76) 3790.16,310.08 cw(c3790.16,340.4) J3.2@3768.72,318.96 ; J3.13@3877.45,195.12 ccw(c3845.18,250.7) 3909.45,250.7 ; J3.13@3909.45,140 3909.45,250.71 ; J3.13@3941.45,195.12 cw(c3973.71,250.7) 3909.45,250.7
  Bottom Layer w50: v2(55,4255) 315,4255 P1.1@320,4260 P1.2@420,4260 ; 277.99,4255 ccw(c277.99,4302.01) P1.1@311.23,4268.77 ; P1.7@420,4995 585,5160 ; P1.7@432.4,4990 cw(c474.41,4990) 444.71,5019.71 ; v2(740,5160) 585,5160 ; v2(810,5385) 585,5160 ; 1204.35,2038.57 cw(c1331.9,2038.57) C18.1@1241.71,2128.76 ; C18.1@1241.26,2151.84 cw(c1304.39,2187.12) 1253.25,2238.25 ; v1(1290,2275) 1283.89,2275 1253.25,2244.36 1253.25,2238.25 ; P5.1@1445,1755 1445,1815 1405,1855 1300,1855 1215,1855 1204.35,1865.65 1204.35,2189.35 1253.25,2238.25 ; J4.5@2441.89,309.92 2441.89,861.89 2560,980 P2.1@2640,980
  other v1: 1335,2275 1335,2325 675,5100 740,5100 800,5100 890,5400 890,5465 890,5520
GR2S4: P7.22
I2C_SCL: P3.1 P7.5 U5.42 | length 3274
  Top Layer w10: v1@760,3339.25 cw(c760,3313.3) 778.35,3331.65 cw(c796.7,3350) v1@770.75,3350 ; v1(760,3350) 960,3150 1425,3150 1480,3095 P3.1@1480,3080 1480,3037.31 ; v1(1295,2060) 1310.16,2075.16 U5.42@1310.16,2140.55 ; 1427.52,3147.48 cw(c1360.04,3080) P3.1@1455.47,3080 ; 1444.59,3130.41 cw(c1394.19,3080) P3.1@1465.47,3080 ; 1461.66,3113.34 cw(c1428.33,3080) P3.1@1475.47,3080 ; 1463.74,3111.26 ccw(c1480,3127.53) P3.1@1480,3104.53 ; P3.1@1467.65,3058.81 cw(c1455.12,3037.32) 1480,3037.32 ; P3.1@1492.35,3058.81 ccw(c1504.88,3037.32) 1480,3037.32 ; v1@1507.4,2727.6 ccw(c1489.05,2745.95) 1515,2745.95 ccw(c1540.95,2745.95) v1@1522.6,2727.6 ; v1(1515,2720) 1515,2845 1440,2920 1440,2962.16 1439.47,2962.69 1439.47,2996.79 1480,3037.31
  Bottom Layer w10: P7.5@320,3375.47 cw(c320,3292.12) 378.94,3351.06 ; P7.5@320,3385.47 cw(c320,3326.26) 361.87,3368.13 ; P7.5@320,3400 330,3400 380,3350 v1(760,3350) ; P7.5@344.53,3400 ccw(c379.6,3400) 354.8,3375.2 ; v1@752.4,3342.4 ccw(c734.05,3324.05) 734.05,3350 ccw(c734.05,3375.95) v1@752.4,3357.6 ; v1(1295,2060) 1515,2060 1535,2080 1535,2700 v1(1515,2720) ; v1@1302.6,2052.4 cw(c1320.95,2034.05) 1320.95,2060 cw(c1320.95,2085.95) v1@1302.6,2067.6 ; v1@1515,2709.25 cw(c1515,2683.3) 1533.35,2701.65 cw(c1551.7,2720) v1@1525.75,2720
I2C_SDA: P3.2 P7.3 U5.43 | length 3642.1
  Top Layer w10: v1@760,3434.25 cw(c760,3408.3) 778.35,3426.65 cw(c796.7,3445) v1@770.75,3445 ; v1(760,3445) 810,3395 810,3330 974,3166 1484,3166 1535,3115 1535,3020 ; v1@1322.24,2037.76 ccw(c1303.89,2056.11) 1329.84,2056.11 ccw(c1355.79,2056.11) v1@1337.44,2037.76 ; v1(1329.84,2030.16) U5.43@1329.84,2140.55 ; P3.2@1464.99,2960.6 cw(c1441.31,2930) 1480,2930 ; P3.2@1471.11,2968.51 cw(c1457.08,2950.39) 1480,2950.39 cw(c1502.92,2950.39) P3.2@1488.89,2968.51 ; P3.2@1480.8,2984.46 ccw(c1486.25,3014.67) 1507.96,2992.96 ; P3.2@1482.58,2994.3 ccw(c1490.38,3037.57) 1521.48,3006.48 ; P3.2@1484.35,3004.14 ccw(c1494.51,3060.48) 1535,3020 ; P3.2@1495.01,2960.6 ccw(c1518.69,2930) 1480,2930 ; P3.2@1504.53,2980 cw(c1527.53,2980) 1511.26,2996.26 ; v1@1552.4,2727.6 ccw(c1534.05,2745.95) 1560,2745.95 ccw(c1585.95,2745.95) v1@1567.6,2727.6 ; v1@1560,2730 1560,2850 1480,2930 ; 1480,2930 P3.2@1480,2980 1495,2980 1535,3020
  Bottom Layer w10: P7.3@320,3475.47 cw(c320,3355.9) 404.55,3440.45 ; P7.3@320,3485.47 cw(c320,3390.04) 387.48,3457.52 ; P7.3@320,3495.47 cw(c320,3424.19) 370.41,3474.59 ; P7.3@320,3500 345,3500 400,3445 v1(760,3445) ; P7.3@320,3505.47 cw(c320,3458.33) 353.34,3491.66 ; v1@752.4,3437.4 ccw(c734.05,3419.05) 734.05,3445 ccw(c734.05,3470.95) v1@752.4,3452.6 ; v1(1329.84,2030.16) 1535.16,2030.16 1560,2055 v1(1560,2720) ; v1@1337.44,2022.56 cw(c1355.79,2004.21) 1355.79,2030.16 cw(c1355.79,2056.11) v1@1337.44,2037.76 ; v1@1552.4,2712.4 cw(c1534.05,2694.05) 1560,2694.05 cw(c1585.95,2694.05) v1@1567.6,2712.4
IO1_103: U5.18
IO2_103: U5.19